# Allegro board WCS038B.brd (continued)
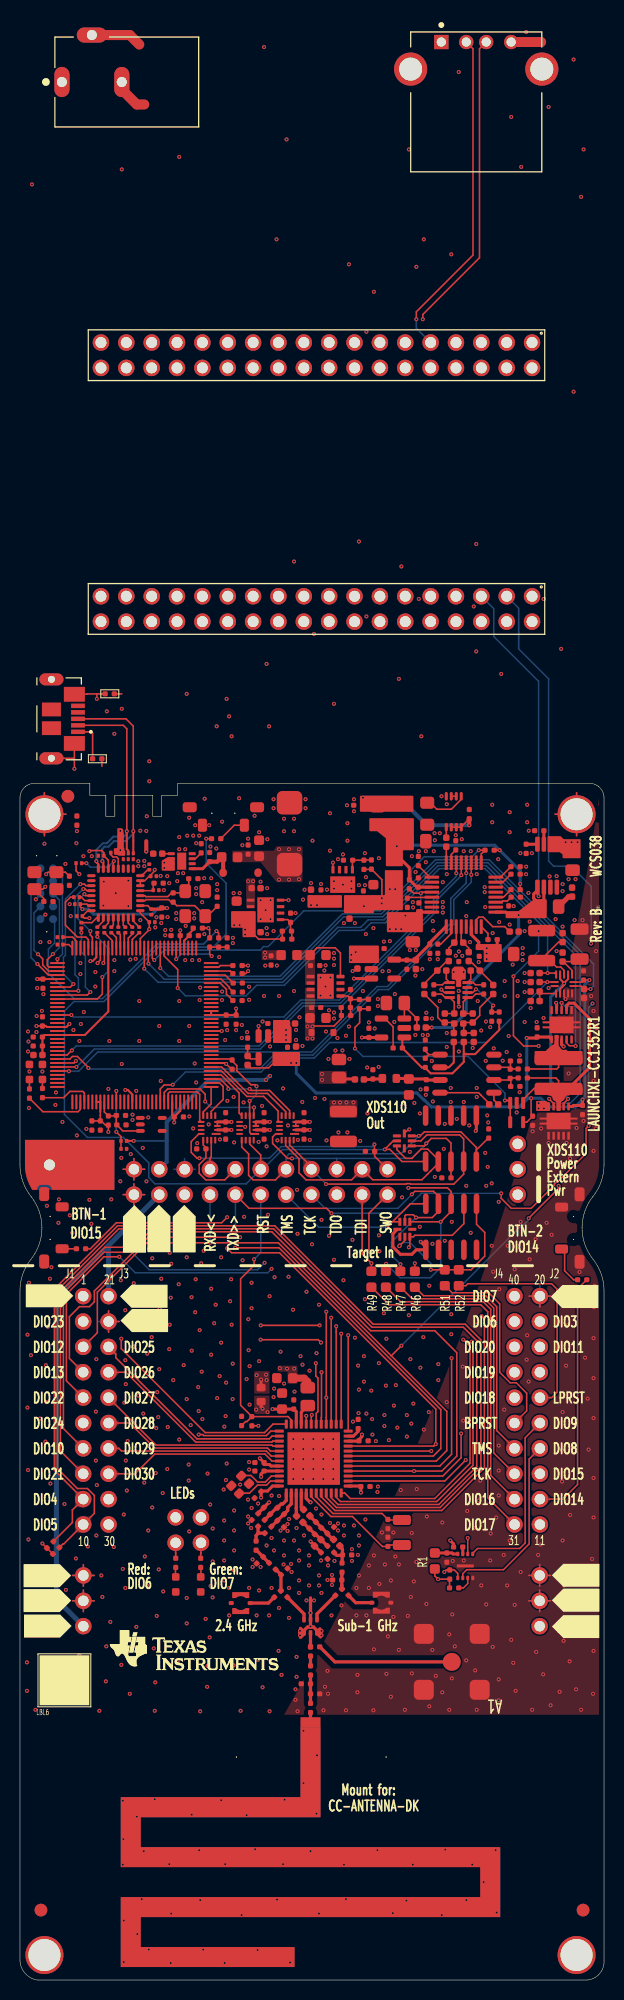
[diagram p0: board, top side]
## Routing (per net, layer and track width the routed paths; a pad name or vN(x,y) marks a point on that pad's centre or on a via; arc(x,y) is an arc through that point) (continued)
VBUS_DET: length 7.1
  TOP w0.15: v1(9.65,89) U5.12 ; R93.1 R92.1 10.12,84.43 v1(9.65,84.9)
  BOTTOM w0.15: v1(9.65,84.9) v1(9.65,89)
VDDC: length 15.8
  TOP w0.2: U5.87 8.85,96.95 6.5,94.6 U5.115 2.45,94.6 C43.1 C44.1 C45.1
VDDR: length 7.1
  TOP w0.3: U1.45 C451.1 24.15,50.65 v1(24.15,50.38) ; U1.48 25.3,49.45 24.8,48.95 24.2,48.95 C481.1 v1(24.15,48.3)
  TOP w0.7: L331.2 28.82,59.9 28.47,60.25 C331.1
  vias: v1(26.03,61.25) v1(26.75,61.2) v1(27.47,61.2)
VDDS: length 11.3
  TOP w0.15: R351.2 v1(23.87,55.48)
  TOP w0.3: U1.13 34.09,49.45 C220.1 34.15,49.39 v1(34.15,48.8) ; v1(24.02,52.22) C441.1 24.45,51.6 24.99,51.6 25.14,51.45 U1.44 ; v1(34.25,54.6) 34.25,54.59 34.25,54.4 33.95,54.1 C221.1 33.89,53.97 33.86,53.95 U1.22 ; U1.34 27.67,56.9 C342.1 C341.1 v1(25.3,57.15) ; v1(24.3,57.2) 24.3,57.25 24.15,57.4 FL1.1
  vias: v1(23.65,57.1) v1(24.8,56.85)
BP_RESET: length 20.2
  TOP w0.15: R52.1 42.57,69.5 43.27,68.8 46.95,68.8 48.05,67.7 48.05,60.84 49.1,59.79 49.71,59.79 50.75,58.75 50.75,56.98 J2.11
DCDC_SW: length 2.1
  TOP w0.3: U1.33 28.17,56.85 L331.1
DIO3: length 40.8
  TOP w0.15: v1(46.23,66.45) 46.51,66.16 46.51,51.26 42.25,47 31.55,47 30.17,48.38 U1.8
  L3 w0.15: J2.4 51.02,66.97 46.75,66.97 v1(46.23,66.45)
DIO4_SCL: length 108.5
  TOP w0.15: R2.1 5.25,45.8 5.25,47.06 J1.17 3.45,51.02 3.45,68.93 3.45,68.93 3.45,69.17 9.77,75.5 25.52,75.5 35.38,65.65 44.6,65.65 46.16,64.09 46.16,51.39 42.07,47.3 31.7,47.3 30.67,48.32 U1.9
DIO5_SDA: length 108.1
  TOP w0.15: U1.10 31.17,48.28 31.85,47.6 41.95,47.6 45.75,51.4 45.75,64 44.4,65.35 35.25,65.35 25.4,75.2 9.9,75.2 3.75,69.05 3.75,51.2 5.75,49.2 6.76,49.2 7.45,48.51 7.45,46.72 J1.19 4.37,43.64 4.29,43.64 R3.1
DIO6_RLED: length 80.4
  TOP w0.15: v1(30.01,65.53) v1(24.11,65.53) ; v1(45.25,63.9) 45.38,63.78 45.38,51.53 41.75,47.9 32.11,47.9 31.67,48.33 U1.11
  L3 w0.15: P6.2 15.59,50.88 18.93,54.22 18.93,60.9 23.56,65.53 v1(24.11,65.53) ; v1(30.01,65.53) 29.72,65.25 29.72,63.59 29.97,63.35 37.8,63.35 38.04,63.12 38.36,63.12 38.59,63.35 44.7,63.35 v1(45.25,63.9) 47.27,65.92 J2.3
DIO7_GLED: length 76.7
  TOP w0.15: v1(30.15,63.81) 29.86,64.1 v1(24.1,64.1) ; U1.12 32.53,48.75 33.08,48.2 41.55,48.2 45.07,51.72 45.07,63.43 v1(44.4,64.1)
  L3 w0.15: P6.4 18.13,52.95 18.99,53.81 18.99,53.85 19.23,54.09 19.23,60.68 22.65,64.1 v1(24.1,64.1) ; J2.1 47.36,68.46 44.4,65.5 v1(44.4,64.1) 44.11,63.81 38.43,63.81 38.36,63.88 38.04,63.88 37.97,63.81 v1(30.15,63.81)
DIO8_MISO: length 38.9
  TOP w0.15: v1(44.65,52.05) 42.55,49.95 U1.14 ; J2.14 51,52.15 51,43.65 48.42,41.07 44.75,41.07 44.35,40.68 U4.2
  L3 w0.15: J2.14 50.9,52.05 v1(44.65,52.05)
DIO9_MOSI: length 41.2
  TOP w0.15: U1.15 42.35,50.45 44.19,52.29 v1(44.19,54.71) ; U4.5 45.35,42.72 45.82,43.2 50.05,43.2 50.6,43.75 50.6,54.29 J2.12
  L3 w0.15: J2.12 51.02,54.71 v1(44.19,54.71)
DIO10_SCLK: length 95.7
  TOP w0.15: U1.16 v1(39.47,50.95) 42.25,50.95 43.75,52.45 43.75,62.8 41.55,65 35.12,65 25.22,74.9 12.95,74.9 10.9,72.85 8.42,72.85 4.35,68.78 4.35,55.2 J1.13 ; U4.6 v1(44.85,44.25)
  L3 w0.15: v1(44.85,44.25) 44.85,45.57 v1(39.47,50.95)
DIO11_CS: length 29.9
  TOP w0.15: U1.17 42.05,51.45 43.23,52.63 v1(43.23,62.25)
  L3 w0.15: v1(43.23,62.25) 50.36,62.25 50.36,62.26 50.59,62.49 50.91,62.49 51.04,62.35 J2.6
DIO14_BTN2: length 46.5
  TOP w0.15: J2.18 54.39,48.14 55.85,49.6 55.85,69.19 56.76,70.1 R55.2 ; U1.20 v1(41.19,52.95)
  L3 w0.15: v1(41.19,52.95) 44.94,49.2 51.01,49.2 J2.18
DIO15_BTN1: length 70.3
  TOP w0.15: R56.2 7.05,73.2 9.65,75.8 20.19,75.8 v1(20.75,76.36) ; U1.21 41.45,53.45 v1(41.65,53.65) 41.65,57.15 26,72.8 21.2,72.8 v1(20.75,73.25)
  L3 w0.15: v1(20.75,73.25) v1(20.75,76.36) ; v1(41.65,53.65) 43.67,51.62 48.99,51.62 49.1,51.73 49.97,51.73 51.02,50.68 J2.16
DIO16_TDO: length 49.6
  TOP w0.15: v1(36.67,71.7) 36.67,70.97 R48.2 ; CR8.5 v1(42.14,75.9) 43.19,76.95 P5.6 43.19,78.93 42.82,79.3 v1(38.9,79.3) ; U1.26 31.67,64.82 31.67,64.83 v1(31.67,65.45)
  L3 w0.15: v1(38.9,79.3) 38.4,79.3 38.03,79.67 32.78,79.67 P4.6 ; v1(31.67,65.45) 31.67,65.85 31.67,65.86 31.67,68.34 34.58,71.25 36.22,71.25 v1(36.67,71.7)
  BOTTOM w0.15: v1(42.14,75.9) 42.14,74.19 42.12,74.18 42.12,73.82 42.14,73.81 42.14,71.34 41.1,70.3 38.07,70.3 v1(36.67,71.7)
DIO17_TDI: length 39.6
  TOP w0.15: R49.2 v1(35.2,71.75) 34.27,72.68 P4.4 ; P5.8 44.46,75.71 43.3,74.55 39.55,74.55 39.4,74.4 CR8.3 39.05,73.45 v1(38.95,73.35) ; U1.27 v1(31.17,66.3)
  L3 w0.15: v1(31.17,66.3) 31.17,68.31 32.53,69.66 32.56,69.66 32.78,69.89 32.78,69.91 34.62,71.75 v1(35.2,71.75) 35.85,72.4 37.55,72.4 38.5,73.35 v1(38.95,73.35)
DIO19_CTS: length 24.5
  TOP w0.15: U1.29 30.17,56.3 30.2,56.33 v1(30.2,60.84)
  L3 w0.15: J2.7 v1(30.2,60.84)
DIO20_FLASH_CS: length 62.8
  TOP w0.15: v1(42.5,40.85) 42.7,41.05 R11.1 43.5,41.05 43.85,40.7 U4.1 ; v1(29.63,61.75) 29.63,60.47 29.85,60.25 29.85,56.91 29.67,56.73 U1.30
  L3 w0.15: J2.5 48.5,63.38 48.02,62.9 38.57,62.9 38.48,62.81 37.91,62.81 37.83,62.9 30.78,62.9 v1(29.63,61.75) 29.63,61.35 29.75,61.23 29.75,58.63 30.5,57.88 36.02,57.88 37.39,56.51 37.39,55.16 46.19,46.37 46.19,42.18 44.86,40.85 v1(42.5,40.85)
DIO21: length 62.2
  TOP w0.15: v1(10.7,73.35) 8.5,73.35 4.05,68.9 4.05,52.96 J1.15 ; v1(29.23,56.57) 29.17,56.52 U1.31
  L3 w0.15: v1(24.5,71.8) 26.57,71.8 29.2,69.17 29.2,61.34 29.38,61.16 29.38,57.13 29.23,56.98 v1(29.23,56.57)
  BOTTOM w0.15: v1(24.5,71.8) 23.8,71.1 12.95,71.1 v1(10.7,73.35)
DIO22: length 51.1
  TOP w0.15: J1.9 4.65,59.98 4.65,68.65 8.4,72.4 v1(9.95,72.4) ; U1.32 v1(28.67,56.47)
  L3 w0.15: v1(25.2,71.19) 25.66,70.74 25.66,70.74 25.88,70.51 25.88,70.5 28.75,67.64 28.75,61.29 28.61,61.16 28.61,60.84 28.67,60.78 v1(28.67,56.47)
  BOTTOM w0.15: v1(25.2,71.19) 24.81,70.8 11.55,70.8 v1(9.95,72.4)
DIO23_ANALOG: length 25.9
  TOP w0.15: U1.36 25.35,55.65 24.5,54.8 18.55,54.8 10.15,63.2 v1(10.15,64.2)
  L3 w0.15: v1(10.15,64.2) 9.86,64.49 7.77,64.49 J1.3
DIO24_ANALOG: length 20.4
  TOP w0.15: U1.37 25.12,54.95 24.67,54.5 18.42,54.5 18.32,54.6 v1(17.9,54.6)
  L3 w0.15: J1.11 7.49,54.6 v1(17.9,54.6)
DIO25_ANALOG: length 21.2
  TOP w0.15: J1.6 9.6,62.65 9.6,62.3 17.72,54.18 24.97,54.18 25.25,54.45 U1.38
DIO26_ANALOG: length 20
  TOP w0.15: U1.39 25.32,53.95 25.22,53.85 17.6,53.85 10.61,60.84 J1.8
DIO27_ANALOG: length 19.1
  TOP w0.15: J1.10 13.62,53.55 25.22,53.55 25.32,53.45 U1.40
DIO28_ANALOG: length 18.3
  TOP w0.15: J1.12 10.99,55.76 13.5,53.25 24.79,53.25 25.09,52.95 U1.41
DIO29_ANALOG: length 17.4
  TOP w0.15: J1.14 9.9,53.22 10.17,52.95 24.67,52.95 25.17,52.45 U1.42
DIO30_ANALOG: length 18.2
  TOP w0.15: J1.16 11.53,50.68 13.5,52.65 24.54,52.65 25.24,51.95 U1.43
ET_1V8: length 6.8
  TOP w0.3: U35.1 42.65,105.45 41.05,103.85 C128.1 41.05,103.69 39.65,102.29 C159.1 C158.1 37.54,102.1 U43.5
ET_3V3: length 7
  TOP w0.15: v1(36.25,108.3) 36.25,110.15 C153.1 35.18,111.18 R132.2 ; U37.3 42.51,98.85 v1(42.21,99.15)
  TOP w0.3: v1(34.25,94.35) C141.1 U41.5
  vias: v1(34.45,107.5) v1(36.23,107.77) v1(37.05,109.2) v1(37.58,109.2) v1(43.45,100.9) v1(44.45,100.9) v1(54.65,113.9) v1(55.25,113.9) v1(55.85,113.9)
ET_5V0: length 4.4
  TOP w0.15: 38.9,90.25 C165.1
  TOP w0.3: C165.1 40.62,90.2 C125.2 40.73,90.1 42.07,90.1 ; FL4.1 38.9,90.25
ET_AVDD: length 5.2
  TOP w0.3: U35.32 C120.1 ; U35.6 45.2,104.65 45.95,103.9 45.95,103.45 C119.1 ; C122.1 47.8,102.85 R98.1
  vias: v1(37.05,105.2) v1(37.65,105.2) v1(38.18,105.2) v1(38.6,106.55) v1(46.75,103.29) v1(46.75,102.76) v1(46.75,102.2)
ET_BYPASS: length 67.1
  TOP w0.15: U33.8 v1(54.25,97.82) ; U33.4 54.75,93.81 55.03,93.52 55.62,93.52 v1(55.65,93.5) ; U5.78 v1(12.45,101.25)
  BOTTOM w0.15: v1(12.45,101.25) 12.75,100.95 12.75,100.95 13.82,99.88 26.33,99.88 31.83,105.38 34.12,105.38 34.87,106.12 36.46,106.12 37.56,107.22 37.56,107.23 41.88,111.55 46.71,111.55 55.65,102.61 55.65,97.45 ; 55.65,97.45 v1(55.65,93.5) ; 55.65,97.45 54.62,97.45 v1(54.25,97.82)
ET_CAL0: length 59.4
  TOP w0.15: v1(14.05,101.3) U5.74 ; v1(57.15,99.2) R129.1 56.2,99.5 U39.13
  BOTTOM w0.15: v1(14.05,101.3) 14.88,100.48 26.05,100.48 32.3,106.73 36.2,106.73 36.52,107.05 36.53,107.05 36.96,107.47 36.96,107.48 41.63,112.15 47,112.15 57.45,101.7 57.45,99.5 v1(57.15,99.2)
ET_CAL1: length 55.7
  TOP w0.15: U39.5 53.55,100.8 v1(52.85,100.8) R128.1 ; v1(15.8,99.3) 15.8,101.15 14.45,102.5 U5.73
  BOTTOM w0.15: v1(52.85,100.8) 52.85,104.98 46.58,111.25 42,111.25 37.86,107.11 37.86,107.1 36.59,105.82 35.17,105.82 34.47,105.12 34.3,105.12 34.25,105.07 31.97,105.07 26.47,99.57 23.7,99.57 22.65,98.52 16.57,98.52 v1(15.8,99.3)
ET_CAL2: length 46
  TOP w0.15: U39.6 v1(52.83,99.9) R127.1 ; U5.23 14.05,89.2 14.45,89.6 15.27,89.6 v1(15.3,89.62)
  BOTTOM w0.15: v1(15.3,89.62) 16.57,90.9 24.15,90.9 25.55,92.3 29.48,92.3 31.03,93.85 46.78,93.85 v1(52.83,99.9)
ET_CALIBRATE: length 72.6
  TOP w0.15: v1(12.88,101.75) 12.85,101.78 U5.77 ; U38.4 53.45,87.75 v1(53,88.2)
  BOTTOM w0.15: v1(53,88.2) 53.42,87.77 55.12,87.77 56.1,88.75 56.1,102.62 46.88,111.85 41.75,111.85 37.26,107.36 37.26,107.35 36.66,106.75 36.65,106.75 36.47,106.58 36.47,106.57 36.33,106.43 32.42,106.43 26.17,100.18 14.45,100.18 v1(12.88,101.75)
ET_DVDD: length 21.6
  TOP w0.15: R119.1 v1(50.1,109.73) ; R96.1 v1(48.05,113.1)
  TOP w0.3: U35.27 C116.1 39.75,109.4 R114.1 39,111.35 38.05,112.3 37.55,112.3 L333.2
  BOTTOM w0.3: v1(37.75,113.5) 37.85,113.6 47.55,113.6 v1(48.05,113.1) 50.1,111.05 v1(50.1,109.73)
ET_FB: length 25.2
  TOP w0.15: v1(33.55,93.25) 33.55,95.35 34.02,95.82 34.02,97.23 ; v1(48.57,88.05) 48.85,88.05 U45.3 U45.4 ; 34.02,97.23 34.88,97.23 R138.1 ; 34.02,97.23 C169.2
  BOTTOM w0.15: v1(48.57,88.05) 48.57,88.78 44.9,92.45 34.35,92.45 v1(33.55,93.25)
ET_PM2: length 41
  TOP w0.15: U35.17 46.2,112.72 R96.2 v1(45.95,113.1) ; U5.76 13.25,102.3 v1(13.45,102.1)
  BOTTOM w0.15: v1(13.45,102.1) 14.45,103.1 24.05,103.1 24.4,103.45 24.85,103.45 28.43,107.02 36.07,107.02 36.4,107.35 36.41,107.35 36.66,107.6 36.66,107.61 39.2,110.15 39.2,111.15 40.5,112.45 45.3,112.45 v1(45.95,113.1)
ET_PN3: length 45.6
  TOP w0.15: R114.2 39.43,108.8 v1(40.15,108.8) 40.25,108.9 U35.28 ; v1(5.15,96.6) U5.110
  BOTTOM w0.15: v1(40.15,108.8) 40.15,106.28 31.97,98.1 28.12,98.1 26.42,96.4 5.35,96.4 v1(5.15,96.6)
ET_SSICLK: length 49.4
  TOP w0.15: U5.120 4.72,92.6 5.17,93.05 v1(5.2,93.05) ; v1(43.7,110.8) U35.22
  BOTTOM w0.15: v1(43.7,110.8) 43.7,110.48 41.42,108.2 41.42,107.12 32.1,97.8 28.25,97.8 23.95,93.5 5.62,93.5 5.2,93.07 v1(5.2,93.05)
ET_SSIDAT0: length 50.3
  TOP w0.15: v1(5.65,91.4) U5.123 ; v1(44.2,110.6) U35.21
  BOTTOM w0.15: v1(44.2,110.6) 44.2,110.55 41.72,108.08 41.72,107 32.22,97.5 28.38,97.5 24.07,93.2 7.45,93.2 v1(5.65,91.4)
ET_SSIDAT1: length 52.2
  TOP w0.15: U5.124 4.88,91 v1(4.9,90.98) ; U35.20 v1(44.7,110.8)
  BOTTOM w0.15: v1(4.9,90.98) 5.88,90.98 7.8,92.9 29.23,92.9 35.78,99.45 36.8,99.45 43.15,105.8 43.15,108.27 44.7,109.82 v1(44.7,110.8)
ET_SSIFSS: length 53.2
  TOP w0.15: v1(45.2,110.63) 45.2,110.63 U35.19 ; U5.121 5,92.2 5.25,92.45 5.75,92.45 6.85,91.35 v1(6.85,91.3)
  BOTTOM w0.15: v1(6.85,91.3) 6.95,91.2 24.02,91.2 25.42,92.6 29.35,92.6 35.9,99.15 36.92,99.15 43.45,105.68 43.45,108.15 45.2,109.9 45.2,110.63 v1(45.2,110.63)
ET_VDD: length 8.5
  TOP w0.15: R151.2 32.18,96.57 C172.1 32.2,96.25 31.45,95.5 29.4,95.5
  L3 w0.15: 49.85,82.62 P10.1 ; P10.1 48.77,83.7 ; P10.1 49.85,84.78 ; P10.1 50.93,83.7
  vias: v1(28.8,95.45) v1(28.8,94.25) v1(29.3,95.45) v1(29.3,94.25) v1(31.45,87.85) v1(32.05,87.85) v1(32.7,87.85) v1(33.4,87.85)
ET_VREF: length 22.5
  TOP w0.3: U40.6 52.47,107.77 C146.1 51.82,107.77 51.82,107.92 51.45,108.29 51.45,108.71 51.82,109.08 U40.5 ; v1(41.24,95.35) R121.1 ; C127.1 48.65,106.9 U35.9
  BOTTOM w0.3: v1(49.95,106.6) 49.95,104.6 44.7,99.35 44.7,96.85 43.2,95.35 v1(41.24,95.35)
IRSTN: length 27.2
  TOP w0.15: v1(19.69,105) 19.9,104.79 R20.2
  BOTTOM w0.15: v1(19.69,105) 18.39,103.7 13.73,103.7 8.28,98.25 5.4,98.25 2.85,100.8 2.85,103.2 3.47,103.82 3.47,106.05 P8.10
ITCK: length 11.4
  TOP w0.15: v1(1.75,101.7) 2.85,100.6 U5.100
  BOTTOM w0.15: v1(1.75,101.7) 1.1,102.35 1.1,109.06 P8.4
ITDI: length 9
  TOP w0.15: U5.98 2.9,101.4 2.73,101.57 2.73,102.13 v1(3.3,102.7)
  BOTTOM w0.15: P8.8 3.96,108.1 3.96,103.36 v1(3.3,102.7)
ITDO: length 10.1
  TOP w0.15: U5.97 3.75,102.2 v1(3.75,102.2)
  BOTTOM w0.15: P8.6 4.26,110.34 4.26,102.71 v1(3.75,102.2)
ITMS: length 8.2
  TOP w0.15: U5.99 2.88,101 2.27,101.6 2.27,102.22 v1(1.81,102.69)
  BOTTOM w0.15: P8.2 1.4,106.82 1.4,103.1 v1(1.81,102.69)
LP_RESET: length 22.4
  TOP w0.15: R51.1 44.65,69.5 44.85,69.7 53.25,69.7 53.8,69.15 53.8,58.85 53.25,58.3 J2.10
LS_VDD: length 12.3
  TOP w0.15: CR7.8 38.9,85.15 v1(39,85.15)
  TOP w0.3: U33.3 54.25,93.65 v1(54.45,93.45) ; v1(45.65,85) 45.71,85.06 P7.1 ; v1(25.03,85.1) C74.1 U10.2 ; U33.9 53.75,97.77 v1(53.7,97.82) ; U8.2 C70.1 v1(21.18,85.1) ; U9.2 C72.1 v1(29.03,85.1)
  L3 w0.15: P10.2 49.85,82.24 ; P10.2 48.77,81.16 ; P10.2 49.85,80.08 ; P10.2 50.93,81.16
RX_TX: length 12.3
  TOP w0.32: v1(29.11,47.82) 29.06,47.82 28.67,48.21 U1.5 ; C32.1 30.15,42.81 29.51,43.45 L33.1 29.5,43.48 29.11,43.87 v1(29.11,43.9) ; v1(24.95,47.81) 24.94,47.81 23.86,46.73 C11.1
  L3 w0.32: v1(24.95,47.81) 24.96,47.82 v1(29.11,47.82) v1(29.11,43.9)
SW_VDD: length 63.9
  TOP w0.15: R134.2 23.09,91.31 24.9,91.31 U44.5 ; v1(51.2,88.28) 51.2,86.62 C170.2 51.35,86.46 50.77,85.88 U45.5 ; v1(57.03,100.1) C140.1 56.25,99.9 U39.14
  TOP w0.3: v1(56.35,88.14) C114.1 55.45,87.55 55.35,87.45 U38.1 ; U33.1 53,94.4 C139.1 51.7,94.3 v1(50.75,94.3)
  BOTTOM w0.3: 50.77,88.28 50.77,94.28 v1(50.75,94.3) ; 50.77,88.28 50.77,88.17 50,87.4 41.19,87.4 40.48,88.11 40.44,88.11 39.75,88.8 29.65,88.8 27.68,90.77 v1(27.68,91.8) v1(27.15,91.8) ; 50.77,88.28 v1(51.2,88.28) 52.16,88.28 53.03,87.4 55.61,87.4 v1(56.35,88.14) 56.57,88.36 56.57,99.65 v1(57.03,100.1)
TARGET_VDD: length 3.2
  BOTTOM w0.15: P4.17 16.49,82.24 ; P4.17 15.42,81.16 ; P4.17 17.57,81.16
  vias: v1(51.95,87.78) v1(51.95,87.25) v1(52.48,87.25)
USB1V8: length 13.6
  TOP w0.15: v1(6.26,107.2) 6.05,107.42 C83.1 6.69,107.7 6.84,107.55 U15.15 ; U15.26 12.8,107.55 C84.1
  TOP w0.3: C84.1 14.03,107.2 14.15,107.32 C85.2 14.22,107.3 v1(14.73,107.3)
  BOTTOM w0.3: v1(14.73,107.3) 13.85,107.3 13.25,106.7 7.36,106.7 6.86,107.2 v1(6.26,107.2)
USB_VBUS: length 90.3
  L3 w1: J9.1 51.29,167.34 51.7,167.75 ; 49.2,167.75 48.75,167.3 J9.3 ; 43.95,168.25 43.67,167.97 J9.7 ; J11.1 44.7,191.5 44.7,179.25 ; J9.5 46.21,167.51 46.45,167.75 ; 44.7,179.25 44.7,170.5 ; 44.7,179.25 44.2,179.75 6.95,179.75 4.2,182.5 J8.1
  vias: v1(10.05,115.03) v1(10.05,113.1) v1(14.45,111.85) v1(14.45,111.32)
USBA1V8: length 2.1
  TOP w0.15: C86.2 13.35,109.72 C87.1 13.3,109.05 U15.29
USBCLK: length 7.1
  TOP w0.15: U5.92 6.85,104.15 6.6,104.4 5.75,104.4 4.55,105.6 4.55,107.9 5.05,108.4 R148.2
USBD0: length 1.8
  TOP w0.15: R140.2 11.92,104.84 11.25,104.17 U5.81
USBD1: length 1.7
  TOP w0.15: R141.2 11.25,104.7 10.85,104.3 U5.82
USBD2: length 1.6
  TOP w0.15: U5.83 10.45,104.74 R142.2
USBD3: length 1.6
  TOP w0.15: R143.2 10.05,104.64 U5.84
USBD4: length 1.8
  TOP w0.15: R144.2 9.17,104.84 9.65,104.37 U5.85
USBD5: length 1.9
  TOP w0.15: R145.2 9.25,104.04 U5.86
USBD6: length 11.5
  TOP w0.15: R146.2 v1(7.75,104.44) ; v1(8.25,100.4) 8.25,98.7 7.75,98.2 U5.106
  BOTTOM w0.15: v1(8.25,100.4) 8.77,100.93 8.77,103.38 7.75,104.4 v1(7.75,104.44)
USBD7: length 10.2
  TOP w0.15: U5.105 6.75,98.6 v1(7.05,98.9) ; R147.2 v1(6.15,104.85)
  BOTTOM w0.15: v1(6.15,104.85) 6.15,102.9 6.55,102.5 6.55,99.4 v1(7.05,98.9)
USBDIR: length 13.7
  TOP w0.15: U5.104 5.82,99 v1(5.85,99.03) ; U15.12 6.7,109.05 6.54,109.22 v1(6.35,109.22)
  BOTTOM w0.15: v1(6.35,109.22) 5.51,108.38 5.51,100.63 5.85,100.3 v1(5.85,99.03)
USBDM: length 23.5
  TOP w0.15: v1(10.7,115) 10.7,125.25 10.35,125.6 J13.2
  TOP w0.2: v1(7.65,112) 7.65,111.9 7.85,111.7 U15.8 ; v1(10.7,115) 10.7,113.2 10.85,113.05 CR6.5
  BOTTOM w0.2: v1(10.7,115) 10.7,114.75 10.41,114.46 9.36,114.46 8.7,113.8 8.32,113.8 7.65,113.13 v1(7.65,112)
USBDM_WIFI: length 33.3
  TOP w0.15: v1(39.7,166.25) 39.7,167 45.38,172.68 45.38,193.32 J11.2
  BOTTOM w0.15: v1(39.7,166.25) 39.7,165.35 J9.9
USBDP: length 24.6
  TOP w0.15: J13.3 10.62,126.25 11.35,125.52 v1(11.35,115)
  TOP w0.2: U15.7 8.35,111.9 v1(8.25,112) ; CR6.4 v1(11.35,115)
  BOTTOM w0.2: v1(11.35,115) 11.35,114.76 10.6,114.01 9.43,114.01 8.87,113.45 8.46,113.45 8.25,113.24 v1(8.25,112)
USBDP_WIFI: length 33.4
  TOP w0.15: J11.3 46.02,193.32 46.02,172.4 40.35,166.73 v1(40.35,166.25)
  L3 w0.15: v1(40.35,166.25) 40.35,165.68 J9.11
USBNXT: length 14
  TOP w0.15: v1(5.35,99.7) 5.05,99.4 U5.103 ; v1(6.05,109.7) 6.46,109.7 6.61,109.55 U15.11
  BOTTOM w0.15: v1(6.05,109.7) 4.56,108.21 4.56,102.58 4.35,102.38 4.35,100.7 v1(5.35,99.7)
USBSTP: length 7
  TOP w0.15: U5.91 7.25,104.4 7.05,104.6 v1(7.05,105) ; U15.13 6.6,108.55 v1(6.45,108.7)
  BOTTOM w0.15: v1(6.45,108.7) 5.81,108.06 5.81,106.24 v1(7.05,105)
VCM: length 16.3
  TOP w0.2: R111.2 48,95.1 45.59,92.69 44.45,92.69 ; U41.1 38.3,94.15 R131.1 40.25,91.35 R100.1 40.6,91.3 41.13,90.76 43.31,90.76 44.45,91.9 44.45,92.69 ; 44.45,92.69 R109.2
WMCU_RESET: length 62.2
  TOP w0.15: P5.10 45.73,75.65 46.55,74.83 46.55,72.46 45.19,71.1 R51.2 R52.2 v1(41.15,71.1) ; R351.1 23.22,56.41 22.1,57.54 22.1,70.2 23.45,71.55 v1(23.45,72.15) ; R351.1 23.22,56.39 22.74,55.91 22.59,55.91 22.2,55.51 C351.1 ; R351.1 26.84,56.4 27.17,56.07 U1.35 ; CR8.2 38.55,74.03 v1(38.04,73.53)
  L3 w0.15: v1(38.04,73.53) 29.63,73.53 29.63,73.49 29.41,73.26 29.09,73.26 28.86,73.49 28.86,73.53 24.83,73.53 v1(23.45,72.15)
  BOTTOM w0.15: v1(23.45,72.15) 24.11,72.81 P4.12 ; v1(41.15,71.1) 41.15,71.75 39.09,73.81 38.33,73.81 v1(38.04,73.53)
  vias: v1(37.99,73.47)
WMCU_RXD: length 158.4
  TOP w0.15: v1(53.95,79.5) 53.95,79.25 v1(50.95,76.25) ; v1(51.95,93.5) 50.45,93.5 49.42,94.52 v1(49.42,100.48) ; v1(38.2,63.5) 37.19,62.49 37.19,62.49 ; J1.5 7.75,64.8 7.75,68.85 12.7,73.8 v1(19.05,73.8) 25.88,73.8 37.19,62.49 ; 37.19,62.49 42.75,56.93 42.75,53 41.7,51.95 U1.18
  L3 w0.15: v1(51.95,105) v1(51.95,108.5) ; v1(53.95,79.5) 53.95,91.5 v1(51.95,93.5)
  BOTTOM w0.15: v1(51.95,108.5) 51.95,130 47.45,134.5 47.45,137.28 J10.5 ; P4.16 19.03,74.22 19.05,74.2 v1(19.05,73.8) ; v1(49.42,100.48) 51.95,103 v1(51.95,105) ; v1(50.95,76.25) 50.95,76.1 50.33,75.47 50.17,75.47 v1(38.2,63.5)
WMCU_SWO: length 44.6
  TOP w0.15: v1(30.68,66.9) v1(30.68,58.3) 30.68,56.31 30.67,56.3 U1.28 ; v1(34.95,72.95) 34.95,76.76 P4.2
  L3 w0.15: v1(34.95,72.95) 34.55,72.95 30.68,69.08 v1(30.68,66.9) ; J2.9 v1(30.68,58.3)
WMCU_TCK: length 46.9
  TOP w0.15: U1.25 v1(32.17,64.7) ; R47.2 38.11,70.96 v1(38.11,71.65) ; CR8.6 38.55,76.5 38.66,76.61 39.38,76.61 v1(39.67,76.32) 41.29,76.32 41.92,76.95 P5.4 41.92,78.45 41.42,78.95 39.55,78.95 v1(39.25,78.65)
  L3 w0.15: v1(32.17,64.7) 32.17,68.38 34.3,70.5 36.96,70.5 v1(38.11,71.65)
  BOTTOM w0.15: v1(38.11,71.65) 37.2,72.56 37.2,73.85 v1(39.67,76.32) ; v1(39.25,78.65) 37.85,77.25 30.56,77.25 P4.8
WMCU_TMS: length 44.9
  TOP w0.15: 37.3,75.9 CR8.7 ; 37.3,75.9 v1(36.75,75.35) ; 37.3,75.9 39.1,77.7 P5.2 ; v1(39.55,71.75) R46.2 ; U1.24 v1(32.88,64.55)
  L3 w0.15: v1(36.75,75.35) 37.82,75.35 39.55,73.62 v1(39.55,71.75) 37.9,70.1 34.39,70.1 32.88,68.59 v1(32.88,64.55)
  BOTTOM w0.15: v1(36.75,75.35) 29.92,75.35 P4.10
WMCU_TXD: length 174.4
  TOP w0.15: P4.14 22.94,77.25 30.7,77.25 v1(31.2,76.75) ; J1.7 4.95,62.22 4.95,66.4 5.96,67.41 6.96,67.41 7.45,67.9 7.45,68.97 12.82,74.35 v1(22.05,74.35) ; U1.19 41.4,52.45 42.15,53.2 42.15,57.1 25.95,73.3 v1(21.55,73.3) ; v1(48.2,78.75) 48.2,78.25 49.2,77.25 51.2,77.25 53.52,79.57 53.52,79.68 53.77,79.93 53.88,79.93 56.7,82.75 56.7,85.25 v1(56.95,85.5)
  L3 w0.15: v1(22.05,74.35) 21.55,73.85 v1(21.55,73.3) ; v1(57.35,97.75) 57.53,97.94 57.53,101.92 57.2,102.25 v1(57.2,103.75)
  BOTTOM w0.15: v1(31.2,76.75) 38.2,76.75 40.2,78.75 v1(48.2,78.75) ; v1(22.05,74.35) 21.57,74.83 P4.14 ; J10.3 49.95,137.32 49.95,133.25 52.95,130.25 52.95,112 53.45,111.5 55.2,111.5 57.2,109.5 v1(57.2,103.75) ; v1(57.35,97.75) 56.95,97.35 v1(56.95,85.5)
WMCU_VDD: length 26
  TOP w0.15: v1(2.24,43.7) 3.3,42.65 ; R59.2 43.03,40.1 R11.2 v1(41.87,40.13) 41.55,40.45 R1.2
  TOP w0.3: CR8.8 37.35,74.7 37.35,73.4 38.1,72.65 39.25,72.65 39.7,73.1 P5.1 40.65,73.39 v1(40.14,73.9) ; R60.2 43.43,43.67 v1(43.1,44) ; FL1.2 v1(24.15,60.1)
  L3 w0.15: 48.77,78.62 P10.3 ; P10.3 49.85,77.54 ; P10.3 50.93,78.62 ; 16.49,77.54 P4.18 ; P4.18 15.42,78.62 ; P4.18 17.57,78.62 ; J1.1 6.33,69.54 ; J1.1 7.41,68.46 ; J1.1 5.26,68.46 ; P1.1 53.13,35.42 ; P1.1 50.97,35.42 ; P1.1 52.05,36.5
  vias: v1(23.7,60.55) v1(24.65,60.6) v1(24.7,60.05)
XDS_RESET: length 11.5
  TOP w0.15: U10.1 23.16,84.7 23.01,84.85 U10.6 23,86.54 v1(23,88) ; v1(23.69,89.48) 23.54,89.63 23.12,89.63 21.72,91.02 21.72,91.53 21.25,92.01 R58.1 21.15,92.2 U5.40
  BOTTOM w0.15: v1(23,88) 23.05,88 23.69,88.64 v1(23.69,89.48)
XDS_RESET_LS: length 87.4
  TOP w0.15: 40.63,81.93 38.27,81.93 37.05,83.15 v1(36.55,83.15) 36.55,83.17 37.38,84 CR7.2 ; R57.2 v1(18.65,114.25) ; P4.11 24.11,82.59 23.01,83.69 U10.15
  BOTTOM w0.15: v1(18.65,114.25) 18.65,111.8 20.65,109.8 20.65,104.7 19.35,103.4 13.85,103.4 8.4,97.95 5.4,97.95 4.45,97 4.45,86.65 6.75,84.35 10.35,84.35 12.9,81.8 12.9,80.32 13.52,79.7 22.65,79.7 P4.11 24.31,81.16 26.27,83.12 36.52,83.12 v1(36.55,83.15)
XDS_RX: length 3.2
  TOP w0.15: U5.33 19.15,87.7 18.36,86.91 U8.8
XDS_RX_LS: length 8
  TOP w0.15: P4.13 20.51,80.1 18.61,80.1 17.95,80.76 17.95,81.62 18.62,82.3 R61.2 18.62,83.33 18.36,83.59 U8.13
XDS_SWO: length 7
  TOP w0.15: U8.9 18,86.05 18,88.66 17.76,88.9 15,88.9 14.85,88.75 U5.25
XDS_SWO_LS: length 24.6
  TOP w0.15: U8.12 17.92,84.7 17.15,83.93 17.15,82.85 17.72,82.27 v1(17.97,82.27) ; v1(35.5,83.65) 35.5,82.97 R62.2 35.52,82.45 P4.1
  BOTTOM w0.15: v1(17.97,82.27) 25,82.27 26.15,83.43 35.27,83.43 v1(35.5,83.65)
XDS_TCK: length 9.8
  TOP w0.15: U5.35 20.05,90.2 20.87,89.38 v1(20.87,89.2) ; v1(23,89.2) 23.15,89.05 25,89.05 27.01,87.04 U9.6
  BOTTOM w0.15: v1(20.87,89.2) v1(23,89.2)
XDS_TCK_LS: length 29.3
  TOP w0.15: P4.7 29.19,81.41 27.01,83.59 U9.15 ; v1(30.65,79.68) 38.67,79.68 38.72,79.72 39.08,79.72 39.13,79.67 43.44,79.67 44.44,80.67 P7.4 44.44,84.2 44.04,84.6 40.75,84.6 40.15,84 CR7.6
  BOTTOM w0.15: P4.7 30.65,79.7 v1(30.65,79.68)
XDS_TDI: length 9.7
  TOP w0.15: U9.7 26.61,86.94 24.8,88.75 22.85,88.75 20.2,91.4 U5.38
XDS_TDI_LS: length 25.9
  TOP w0.15: 41.9,81.75 P7.8 ; 41.9,81.75 41.9,81.75 41.9,82.12 40.84,83.18 40.18,83.18 39.25,82.25 38.63,82.25 37.75,83.13 CR7.3 ; 41.9,81.75 41.13,80.98 41.13,80.98 40.84,80.68 40.83,80.68 40.26,80.11 35.32,80.11 P4.3 33.22,80.1 28.65,80.1 27.95,80.8 27.95,82.2 26.61,83.54 U9.14
XDS_TDO: length 9.5
  TOP w0.15: 25.99,85.9 25.85,86.05 25.85,87 24.4,88.45 22.72,88.45 20.17,91 U5.37
XDS_TDO_LS: length 27.2
  TOP w0.15: v1(27.25,82.25) 26.8,82.25 25.3,83.75 25.3,84.39 25.61,84.7 25.99,84.7 ; CR7.5 40.5,83.5 40.7,83.7 v1(40.7,83.75) 41.2,84.25 42.7,84.25 43.17,83.78 P7.6 43.17,80.31 R63.2